# Altium PCB HIVE_SIGHT_PCB ASCII REV Project_PCB_Rev.Project_SCH_Rev.PcbDoc (part 2 of 3)
Units mil, origin at the board's own origin, x right, y up, seen from the top; angles counter-clockwise.
Board outline 2755.91 x 4245.66 mil, 4 copper layers (Top, GND, PWR, Bottom), stack 60.394 mil thick; 270 components, 195 nets, 1094 pads, 396 vias.
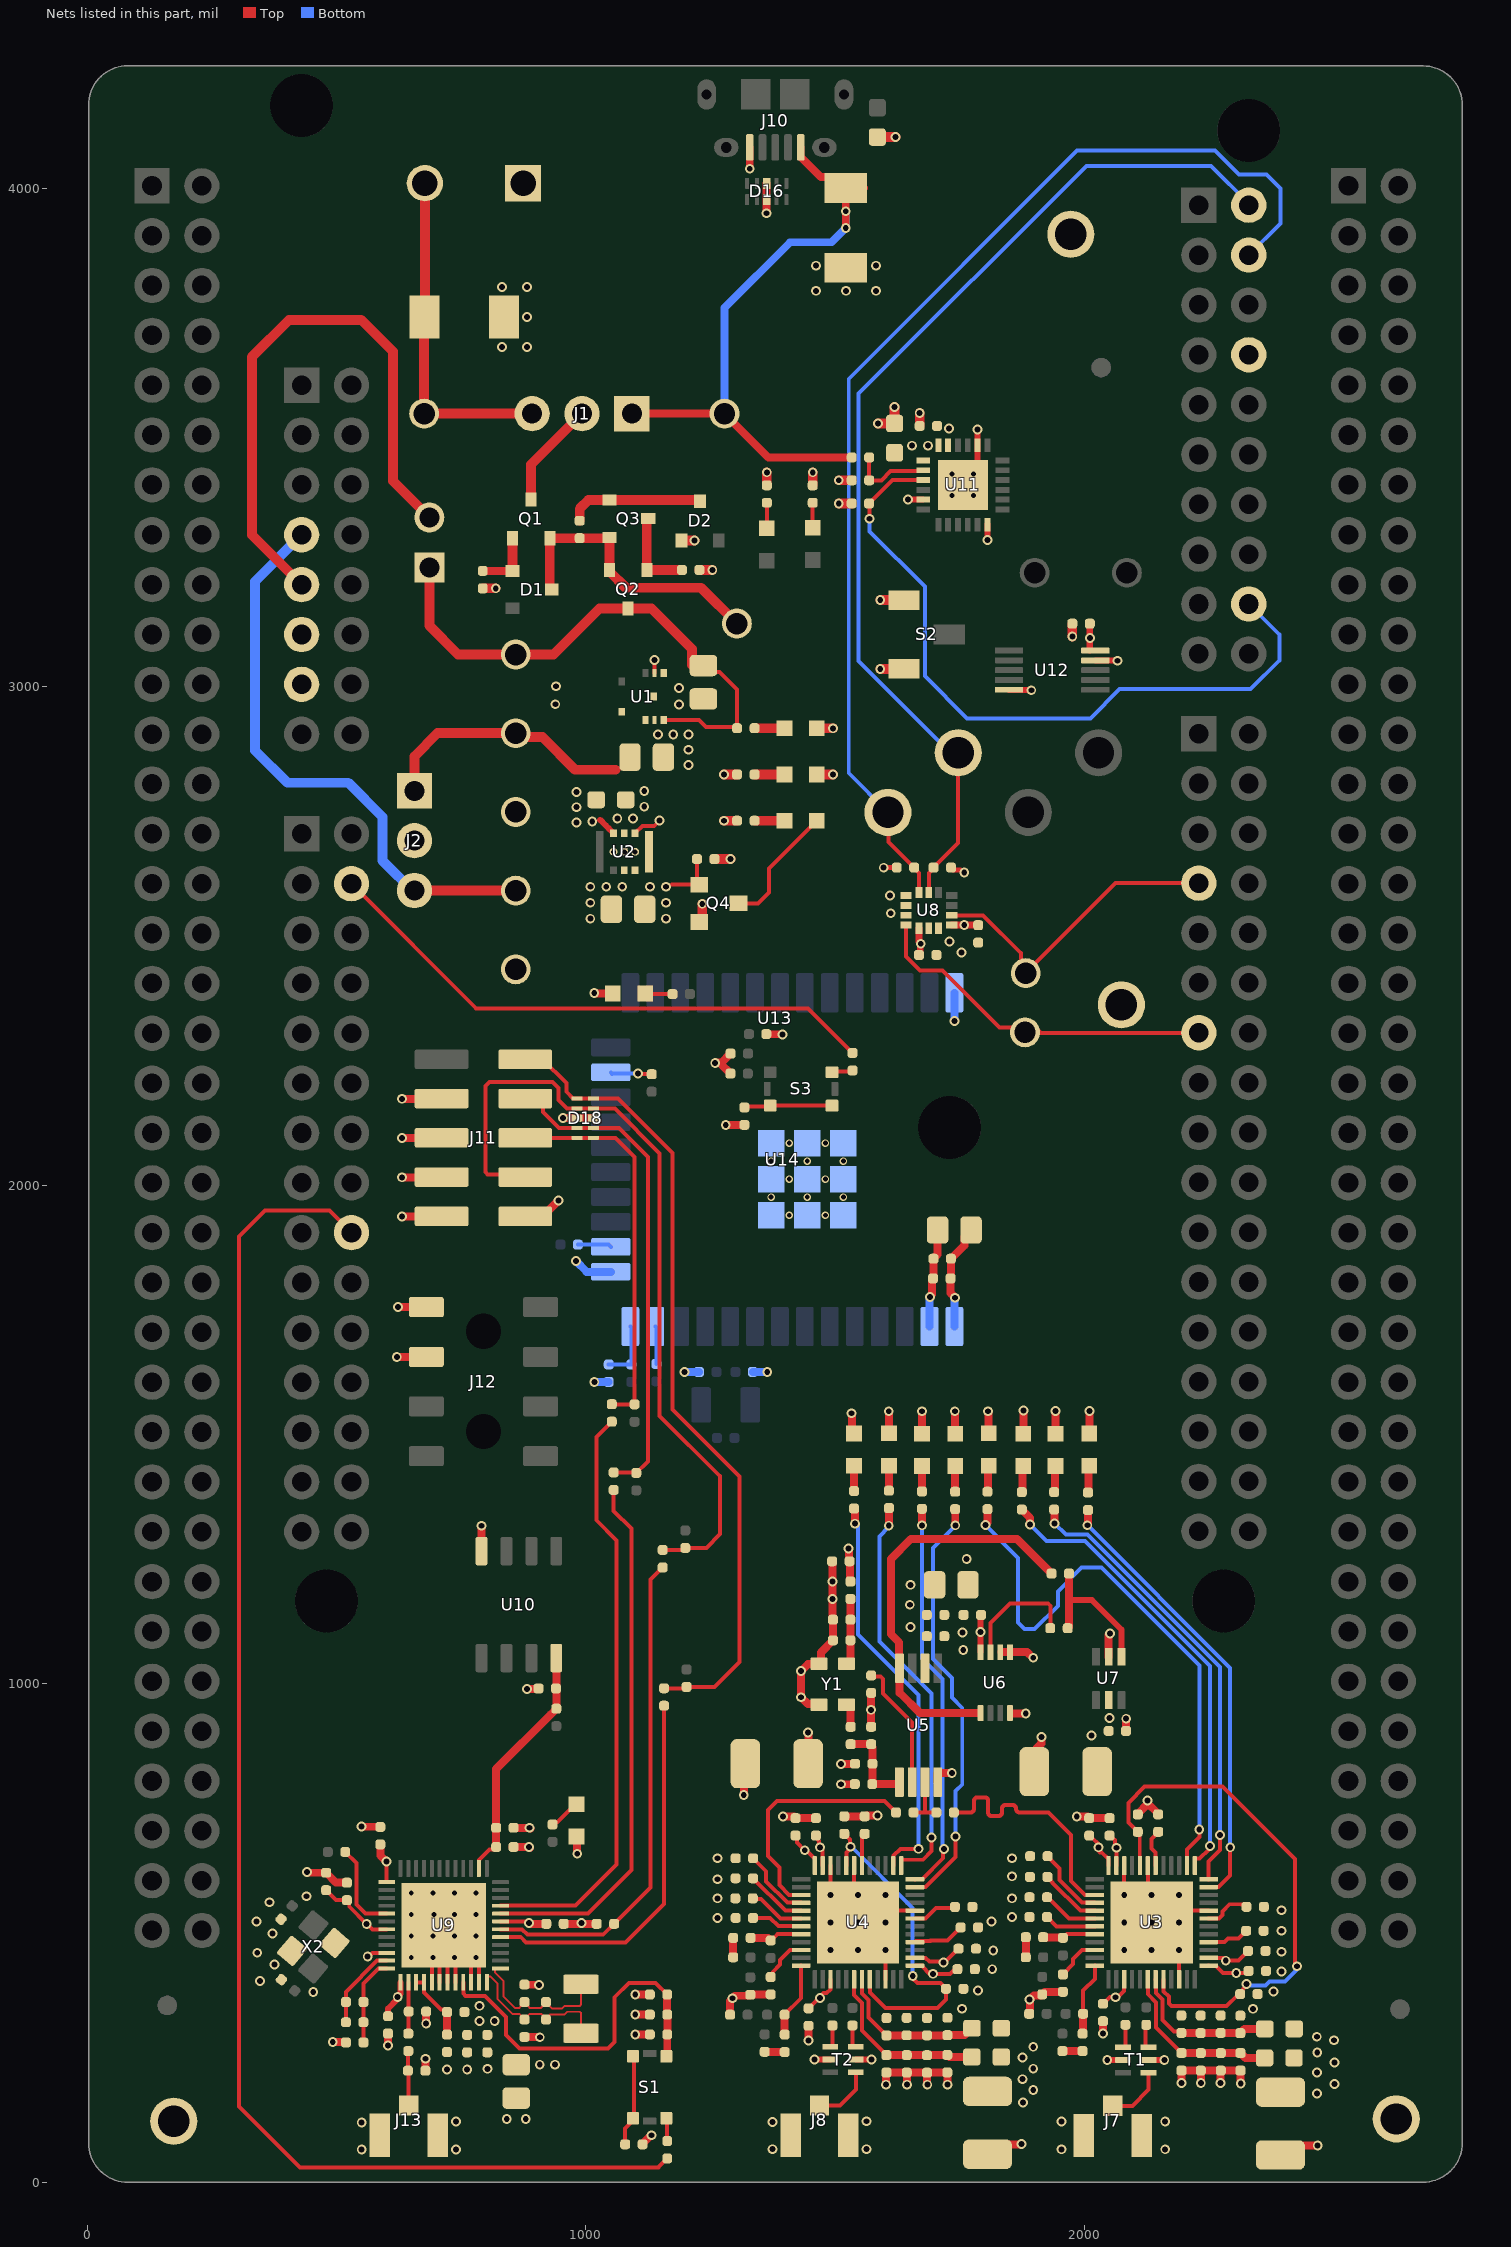
[diagram p4: the nets of this part, all layers, seen from the top]

## Part data
C1: library part CAP_CER_C2012X7R1E475K125AE, "CAP - CER 4.7UF 10% 25V X7R - 0805"
C2 C4: library part CAP_CER_GRM21BR61C106KE15K, "CAP - CER 10UF 10% 16V X5R - 0805"
C3 C100: library part CAP_CER_CL10A475MA8NQNC, "CAP - CER 4.7µF 20% 25V X5R - 0603"
C5 C6 C7 C8 C9 C10 C14 C17 C20 C24 C25 C26 C27 C28 C29 C30 C31 C35 C36 C37 C38 C39 C40 C44 C46 C48 C52 C53 C56 C57 C58 C59 C60 C61 C77 C78 C101 C102: library part CAP_CER_CGA2B3X7R1E104K050BB, "CAP - CER 0.1µF 10% 25V X7R - 0402"
C11 C21 C41 C49: library part CAP_CER_CL05B103KB5NFNC, "CAP - CER 10nF ±10% 50V X7R - 0402"
C12 C22 C42 C50 C72: library part CAP_CER_CC0402KRX7R9BB102, "CAP - CER 1nF 10% 50V X7R - 0402"
C13 C23 C33 C34 C43 C51 C63 C64: library part CAP_CER_CC0402JRNPO9BN120, "CAP - CER 12pF 50V ±5% C0G, NP0 - 0402"
C15 C45: library part CAP_CER_CC0402JRNPO9BN270, "CAP - CER 27pF 50V ±5% C0G, NP0 - 0402"
C16 C47: library part CAP_CER_C0402C129C5GACTU, "CAP - CER 1.2pF 50V ±0.25pF C0G, NP0 - 0402"
C18 C54: library part CAP_CER_GRM1555C1H180GA01D, "CAP - CER 18pF 50V C0G, NPO - 0402"
C19 C55: library part CAP_CER_CC0402KRX7R9BB821, "CAP - CER 820pF 50V ±10% X7R - 0402"
C32 C62 C89: library part CAP_CER_CC0402JRNPO9BN101, "CAP - CER 100pF 50V ±5% C0G,CP0 - 0402"
C65 C66 C75: library part CAP_CER_C0402C103M5RACTU, "CAP - CER 10nF 50V X7R 20% - 0402"
C67: library part CAP_CER_GRM21BC71E106KE11L, "CAP - CER 10UF 10% 25V X7S - 0805"
C68 C73 C80 C90 C93 C112: library part CAP_CER_CL05A105KL5NRNC, "CAP - CER 1uF 10% 35V X5R - 0402"
C69 C70 C71 C74 C81 C82 C87 C88 C91 C94 C97 C108 C113: library part CAP_CER_CL05A104KA5NNNC, "CAP - CER 0.1uF 10% 25V X5R - 0402"
C76: library part CAP_CER_CC0402CRNPO9BN3R0, "CAP - CER 3pF 50V ±0.25pF C0G, NP0 - 0402"
C79 C111: library part CAP_CER_0805YD106KAT2A, "CAP - CER 10UF 16V X5R - 0805"
C83: library part CAP_CER_C0402C332K5RACAUTO, "CAP - CER 3.3nF 10% 50V X7R - 0402"
C84: library part CAP_CER_GRM155R71H103KA88D, "CAP - CER 10nF 10% 50V X7R - 0402"
C85 C86 C109 C110: library part CAP_CER_CC0402JRNPO9BN130, "CAP - CER 13PF 50V C0G/NP0 - 0402"
C92 C95: library part CAP_CER_CC0402DRNPO9BN8R0, "CAP - CER 8PF 50V C0G/NP0 - 0402"
C96 C107: library part CAP_CER_CL05A105MP5NNNC, "CAP - CER 1uF 20% 10V X5R - 0402"
C98: library part CAP_CER_CC0402CRNPO9BN1R8, "CAP - CER 1.8PF 50V C0G/NP0 - 0402"
C99: library part CAP_CER_CC0402BRNPO9BN2R4, "CAP - CER 2.4PF 50V C0G/NP0 - 0402"
C103 C104 C105 C106: library part CAP_CER_C3225X7R1E226M250AB, "CAP - CER 22UF 20% 25V X7R - 1210"
D1 D2: library part DIO_ZENER_BZX84-B3V6,215, "DIO - ZENER 3.6V 250mW - SOT-23"
D3 D4 D5 D6 D7 D8 D9 D10 D11 D12 D13 D17 D19 D20 D21: library part LED_SML-D12P8WT86, "LED - GREEN DIFFUSED 0603 SMD - 0603"
D14 D15: library part TVS_SMBJ5.0D-M3/H, "TVS - DIODE 5V 9.1V- DO-214AA"
D16 D18: library part TVS_DATA_DT1140-04LP-7, "TVS - DIODE 5.5V 10V - 10-UFDFN"
FID1 FID2 FID3: library part FID_CIRCLE_1MM, "FID - FIDUCIAL 1MM CIRCLE DOUBLE-SIDED - 1MM"
J1 J2: library part CON_HDR_TSW-103-07-G-S, "CON - HDR 100 MIL 3 POS - TH"
J3 J4 J6: library part CON_JMP_SNT-100-BK-T-H, "CON - CONN SHUNT - MEC"
J5: library part CON_HDR_1X2, "CON - Header 1x2 pins 100 mil -TH"
J7 J8 J13: library part CON_UMC_128-0711-201, "CON - UMC JACK STR 50 OHM - SMD"
J9: library part CON_1935161, "CON - TERM BLK 2POS SIDE ENTRY 5MM PCB - TH - 14-26 AWG"
J10: library part CON_USB_10118194-0001LF, "CON - USB MICRO B RECPT SMT R/A - 4PIN"
J11: library part CON_0878321014, "CON - HEADER SMD 10POS 2mm - SMD"
J12: library part CON_HDR_M20-7810445, "CONN RCPT 8POS 0.1 GOLD SMD"
J14: library part CON_HDR_NUCLEO_F429ZI_PREC008DAAN-RC, "CON - Header 16 positions 2x8  0.100\" - TH"
J15: library part CON_HDR_NUCLEO_F429ZI_PREC010DAAN-RC, "CON - Header 20 positions 2x10  0.100\" - TH"
J16: library part CON_HDR_NUCLEO_F429ZI_PREC017DAAN-RC, "CON - Header 34 positions 2x17  0.100\" - TH"
J17: library part CON_HDR_NUCLEO_F429ZI_PREC015DAAN-RC, "CON - Header 30 positions 2x15  0.100\" - TH"
L1 L2 L3 L4: library part FER_BLM15AG601SN1D, "FER - FERRITE BEAD 600 OHM@100MHz - 0402"
L5: library part FER_BLM15BB220SN1D, "FER - FERRITE BEAD 22 OHM - 0402"
L6: library part IND_LQG15HS2N0S02D, "IND - 2nH 900mA 100mOhm  - 0402"
L7: library part IND_LQG15WZ2N8S02D, "IND - 2.8nH 900mA 80mOhm  - 0402"
Q1 Q2 Q3: library part TRX_PMOS_SI2369DS-T1-GE3, "TRX - PMOS 30V 7.6A - SOT-23"
Q4: library part TRX_NMOS_BSS138LT1G, "TRX - NMOS - 50V 200MA - SOT-23-3"
R1 R4 R5 R27 R28 R38 R40 R46: library part RES_RC0402FR-071KL, "RES - 1K OHM 1% 1/16W - 0402"
R2: library part RES_ERJ-2RKF4020X, "RES - 402R 1% 1/10W - 0402"
R3 R6 R8 R9 R11 R13 R15 R16 R18 R20 R30 R39 R43 R44 R47 R53: library part RES_RC0402FR-07150RL, "RES - 150R 1% 1/16W - 0402"
R7 R25 R32 R35 R37 R41 R45 R52: library part RES_RC0402FR-0710KL, "RES - 10K OHMS 1% 1/16W - 0402"
R10 R17: library part RES_RC0402FR-0716KL, "RES - 16k OHM 1% 1/16W - 0402"
R12 R19: library part RES_RC0402FR-07270RL, "RES - 270R 1% 1/16W - 0402"
R14 R21: library part RES_RC0402FR-0711KL, "RES - 11K 1% 1/16W - 0402"
R22 R24 R31 R42: library part RES_RC0402FR-0720KL, "RES - 20K 1% 1/16W  - 0402"
R23 R26 R55 R56 R57 R58 R59 R60 R61 R62: library part RES_RC0402FR-070RL, "RES - 0R 1/16W 1A  - 0402"
R29: library part RES_RC0603JR-070RL, "RES - 0 ohm jumper 1/10W - 0603"
R33 R36 R54: library part RES_RC0402FR-076R2L, "RES - 6.2R 1% 1/16W - 0402"
R34: library part RES_RC0402FR-07499RL, "RES - 499 OHM 1% 1/16W - 0402"
R48 R49 R50 R51: library part RES_NOMAG_PNM0402E1000BST1, "RES - 100 OHM 0.1% 1/20W NON-MAG - 0402"
S1 S3: library part SWI_TACT_435171014816, "SWI - SWITCH TACTILE SPST-NO 0.05A 12V -SMD"
S2: library part SWI_SPDT_CJS-1200TA, "SWI - SLIDE SPDT 100MA 6V - SMD"
T1 T2: library part XFR_HHM1595A1, "XFR - Imp Unbalaced/Balanced 50/100 3-8GHz  -SMD"
TP1 TP2 TP3 TP4 TP5 TP6 TP7 TP8 TP9 TP10 TP17 TP18: library part TPO_TH_ROUND_100MIL, "TPO - TEST POINT ROUND TH  - 100MIL"
TP11 TP12 TP13 TP14 TP15 TP16 TP19 TP20: library part TPO_5011, "TPO - TEST POINT - TH"
U1: library part REG_SWR_XCL214B333DR, "REG_DC DC CONVERTER 3.3V 5W_9-PowerTFQFN"
U2: library part REG_SWR_MYRGP180100W21RA, "REG_DC DC CONVERTER 1.8V 1.8W_8-PowerTDFN"
U3 U4: library part COM_XCV_DW1000-I-TR13, "COM - IC RF TxRx 802.15.4 IR-UWB DECAWAVE - 48-VFQFN EP"
U5: library part COM_BUF_LMK1C1102PWR, "COM - BUF - Clock buffer 3V3, 2V5, 1V8 2 Channel - TSSOP 8"
U6: library part LOG_NAND_SN74LVC2G00DCUR, "LOG_NAND - GATE NAND 2CH 2-INP - 8-VSSOP"
U7: library part LOG_FLIPFLOP_SN74LVC1G175DCKT, "LOG_FLIPFLOP - Single D flip-flop with Asynchronous clear - SOT-363"
U8: library part SEN_IMU_LSM6DSMTR, "SEN_IMU -  ACCEL/GYRO 6 Axis I2C/SPI - 14-VFLGA"
U9: library part COM_WIFI_ESP32-D0WDQ6-V3, "COM_WIFI - IC RF TxRx + MCU, WiFi 802.11b/g/n, Bluetooth 4.2 2.4GHz - 48-VFQFN Exposed Pad"
U10: library part MEM_FLASH_MX25L3233FM1I-08Q, "MEM - EFLASH 32Mb SPI 133MHZ - 8-SOIC"
U11: library part COM_XCV_CP2102N-A02-GQFN24R, "COM_XCV - IC USB TO UART BRIDGE - 24-QFN (4x4)"
U12: library part LOG_MUX_TMUX154EDGSR, "LOG_MUX -  SWITCH SPDT DUAL 2:1 - 10-VSSOP"
U13: library part MOD_NUCLEO_F429ZI, "MOD - F429ZI MCU Nucleo development board - MOD"
U14: library part COM_ESP32-WROOM-32U(8MB), "Bluetooth, WiFi 802.11b/g/n, Bluetooth v4.2  2.4GHz ~ 2.5GHz U.FL Surface Mount"
X1 X3: library part CRY_CM7V-T1A-32.768KHZ-12.5PF-20PPM-TA-QC, "CRY - 32.768KHZ tol:20ppm 12.5PF - 2-SMD"
X2: library part "CRY_FA-20H 40.0000MF10Z-K3", "CRY - 40MKHZ 10ppm 10PF - 4-SMD"
Y1: library part OSC_ASTXR-12-38.400MHz-514054-T, "OSC - XTAL - ASTXR-12-38.400MHz-514054-T - 38.4MHz TXCO - Clipped sine - 3V3 +-0.5ppm UWB application"

## Via types
v1: diameter 19.68, hole 11.81, Top to Bottom, tented both sides, 346 vias
v2: diameter 19.68, hole 11.81, Top to Bottom, 18 vias
v3: diameter 19.68, hole 10, Top to Bottom, 16 vias
v4: diameter 15.75, hole 10, Top to Bottom, 12 vias
v5: diameter 20, hole 10, Top to Bottom, 4 vias

## Nets (pads, with @x,y where several pads share a name; then routed paths per layer and width w, separated by ;. In a path a pad name is that pad's centre, name@x,y a point inside that pad or via, vN(x,y) a via of type N, cw(c..) or ccw(c..) an arc to the next point about the centre after c; other vN are vias at no path point)
1V8: C4.2 C5.1 C26.1 C35.1 C56.1 Q4.1 R7.1 TP8.1 U2.3 U2.8 U3.26 U3.48 U4.26 U4.48 | length 455.4
  Top w8: 1173.05,2603.39 Q4.1@1227.33,2603.39 1222.83,2607.89 R7.1@1222.83,2654.64 ; C56.1@1420.53,695.8 1423.75,692.58 1423.75,681.56 v1(1438.98,666.34) ; v1@1441.22,666.75 1457.56,650.4 1458.91,650.4 1459.24,650.07 U4.48@1459.24,635.7 ; U4.26@1660.02,450.66 1660.35,450.33 1681.59,450.33 1689.01,442.91 1721.48,442.91 C35.1@1747.4,468.84 ; C26.1@2015.71,691.25 2028.08,678.88 v1(2028.08,672.28) ; v1@2026.96,678.91 2026.96,666.8 2031.43,662.33 2034.73,662.33 2048.33,648.73 U3.48@2048.33,635.7 ; U3.26@2249.12,450.66 2278.87,450.66 v1@2285.58,443.95 ; v1(2283.46,444.88) 2308.84,444.88 C5.1@2328.37,464.41
  other v1: 1717.52,440.94 1160.43,2535.12 1160.43,2567.11 1128.45,2599.09 1160.43,2599.09
3V3: C3.2 C17.1 C24.1 C25.1 C46.1 C52.1 C53.1 C67.2 C68.2 C69.2 C70.2 C71.1 C73.2 C77.1 C78.1 C79.2 C80.2 C81.2 C88.2 C89.2 C90.2 C91.2 C94.2 C100.2 C101.2 C102.1 C103.2 C104.2 C105.2 C106.2 C111.2 C112.2 C113.2 J2.2 L1.1 L2.1 L3.1 L4.1 L5.1 L6.1 R3.1 R6.1 R22.2 R25.2 R27.1 R28.1 R36.1 R37.2 R40.1 R43.1 R44.1 R45.2 S2.3 TP7.1 U2.4 U2.6 U3.15 U3.25 U3.47 U4.15 U4.25 U4.47 U5.6 U6.8 U7.5 U8.5 U8.8 U9.1 U9.19 U9.37 U9.43 U9.46 U11.5 U11.6 U11.7 U12.10 U14.2 | length 1978.4
  Top w8: C90.2@478.95,586.26 498.91,566.29 C89.2@520.48,566.29 525.25,561.53 525.25,553.32 v1(560.19,518.39) 561.18,518.39 571.69,507.87 U9.43@600.39,507.87 ; v1(562.17,453.21) 564.84,453.21 572.26,460.63 U9.46@600.39,460.63 ; U9.37@600.39,602.36 v1@600.39,644.36 ; U9.19@828.74,523.62 879.57,523.62 882.66,520.53 v1(885.82,520.53) ; U2.4@1098.67,2706.2 1098.67,2706.7 1113.43,2721.46 1137.06,2721.46 1147.45,2731.86 v1(1147.58,2731.86) ; C46.1@1446.63,349.35 1476.94,379.65 1482.54,379.65 1490.4,387.52 1490.4,407.02 U4.15@1490.73,407.35 ; C53.1@1465.55,687.35 1467.63,685.27 1467.63,674.1 1474.65,667.08 1474.65,636.03 U4.47@1474.98,635.7 ; U4.25@1660.02,434.91 1674.39,434.91 1674.72,434.58 1674.72,433.14 1689.35,418.51 v1(1696.13,418.51) 1730.27,418.51 C52.1@1740.21,428.45 ; C17.1@2037.3,358.47 2051.11,372.27 v1@2063.25,372.27 ; C25.1@2056.66,691.25 2061.42,686.48 2061.42,677.16 2064.08,674.5 v1(2064.08,671.34) U3.47@2064.08,635.7 ; v1(2062.52,371.54) 2064.75,373.77 2069.64,373.77 2079.5,383.63 2079.5,407.02 U3.15@2079.83,407.35 ; U3.25@2249.12,434.91 2249.45,434.58 2264.15,434.58 2278.3,420.43 v1(2304.54,420.43) 2325.46,420.43 C24.1@2329.4,424.37
  Top w10: v1(1597.33,2637.43) 1597.44,2637.54 1623.41,2637.54 R28.1@1623.52,2637.65 ; R27.1@1732.42,2637.65 1736.8,2633.27 1751.03,2633.27 1756.35,2627.95 v1(1758.97,2627.95) ; U12.10@2010.78,3073.93 2011.68,3073.02 U12.10@2021.93,3073.02
  Top w12: C91.2@603.1,333.58 603.1,349.03 620.89,366.82 620.89,370.84 627.95,377.9 U9.1@627.95,401.57 ; 1028.52,2733.29 1040.18,2721.63 1040.24,2721.63 1046.68,2715.19 1046.68,2715.13 1054.23,2707.59 1054.47,2707.59 1055.36,2706.7 U2.6@1055.36,2706.2 ; v1(1791.53,1104.02) 1791.61,1103.94 1791.61,1063.76 U6.8@1791.68,1063.68 ; v1@1791.76,1104.02 1791.76,1137.59 C70.2@1792.71,1138.54
  Top w13.78: C78.1@1668.06,2462.47 1670.66,2465.07 1670.66,2483.67 v1(1671.79,2484.8) ; v1@1668.12,2488.47 U8.5@1668.12,2515.82 ; U8.8@1733.58,2522.22 v1@1758.84,2522.22 ; v1(1758.84,2522.56) 1759.04,2522.36 1786.73,2522.36 C77.1@1786.93,2522.16 ; U12.10@2010.78,3073.93 C102.1@2010.78,3126.94
  Top w16: C88.2@587.6,678.15 587.6,656.02 v1(599.92,643.7) ; R36.1@854.15,711.51 v1(886.53,711.51) v1@888.38,709.65 ; v1(885.82,520.53) 886.82,520.53 888.52,518.83 C94.2@920.48,518.83 ; v1(1099.04,377.06) R37.2@1128.14,377.06 ; R45.2@1361.88,2303.64 1362.22,2303.3 1393.8,2303.3 v1(1394.14,2302.96) ; v1(1445.81,902.77) 1446.52,902.07 1446.52,840.82 C105.2@1447.72,839.61 ; v1(1527.05,1271.72) 1527.75,1271.01 1527.75,1247.19 1529.75,1245.19 1529.75,1206.4 L5.1@1530.66,1205.5 ; R22.2@1572.19,914.08 v1(1572.19,948.08) R25.2@1572.19,982.07 ; v1(1690.12,1776.3) 1690.12,1777.29 1694.5,1781.67 1694.5,1811.49 C113.2@1696.5,1813.49 1696.89,1813.88 1696.89,1852.64 C112.2@1697.28,1853.03 1705.55,1861.3 C111.2@1705.55,1910.58
  Top w19.68: v1(1277.23,2731.64) R6.1@1303.23,2731.64 ; v1(1277.23,2824.48) R3.1@1303.23,2824.48 ; R43.1@1362.91,3404.51 v1(1362.91,3430.51) ; R44.1@1455,3404.51 v1(1455,3430.51) ; v1(1507.1,3368.2) R40.1@1533.1,3368.2 ; v1(1590.42,3035.72) S2.3@1638.07,3035.72
  Bottom w16: U14.2@1689.28,1717.19 1689.7,1717.61 1689.7,1775.88 v1(1690.12,1776.3)
  other v1: 1876.6,160.37 2466.57,178.22 1897.44,185.5 2501.49,197.58 1875.6,207.15 2466.57,220.41 721.37,226.53 761.81,226.53 802.32,227.95 1897.44,228.24 907.48,236.22 937.99,236.22 2501.84,240.63 1875.6,250.54 2467.09,260.52 1897.44,272.08 2500.63,285.24 2466.22,292.33 1469.49,370.12 622.36,372.31 1469.49,672.24 2014.45,896.37 2050.14,931.86 1651.08,1114.4 1649.79,1158.82 1651.08,1198.82 981.3,2728.35 1012.8,2730.31 981.3,2758.86 981.26,2789.21 2011,3098 1654,3484 1686,3484 1728.35,3518.7
3V3_INT: C2.2 J2.1 TP5.1 U1.4 U1.9 | length 523.2
  Top w19.68: J2.1@656,2791.64 656,2860.86 702.46,2907.33 859.46,2907.33 TP5.1@859.25,2907.12 866.97,2899.4 912.68,2899.4 978.17,2833.91 1059.86,2833.91
3V3_NUC: J2.3 TP6.1 U13.CN8-7 | length 1171.4
  Top w19.68: J2.3@656,2591.64 TP6.1@866.52,2591.64
  Bottom w19.68: U13.CN8-7@429.63,3305.33 335.96,3211.65 335.96,2872.82 400.83,2807.95 523.24,2807.95 592.16,2739.04 592.16,2651.37 J2.3@656,2587.53
3V3_SDIO: C87.2 C93.2 R35.2 R36.2 U9.26 U10.8 | length 490.4
  Top w8: U9.26@785.43,629.92 785.5,629.98 785.5,647.17 806.54,668.22 814.32,668.22 C93.2@817.95,671.85
  Top w16: C93.2@819.78,671.9 819.78,744.69 819.78,829.33 928.8,938.35 929.3,938.35 938.67,947.73 938.67,948.35 R35.2@940.67,950.35 940.68,990.96 U10.8@940.69,1052.01
3V3_WIFI: C82.2 L6.2 U9.3 U9.4 | length 144
  Top w8: U9.3@659.45,401.57 U9.4@675.2,401.57 675.2,381.08 692.38,363.89 709.7,346.57 716.61,346.57 C82.2@721.37,341.81
  Top w16: L6.2@721.37,296.53 C82.2@721.37,341.81
5V_CONN: D14.2 J1.3 J9.2 TP1.1 | length 679.6
  Top w15.75: D14.2@675.5,3741.5 D14.2@676,3742 D14.2@676.98,3742.98
  Top w19.68: D14.2@675.5,3741.5 TP1.1@675.5,3548.3 J1.3@892.14,3548.3 ; D14.2@676.98,3742.98 J9.2@676.98,4010.59
5V_IN: J1.2 Q1.3 | length 214.7
  Top w19.68: Q1.3@890.13,3375.9 890.13,3446.28 J1.2@992.14,3548.3
5V_NUC: J5.2 U13.CN8-9 | length 1200.5
  Top w19.68: U13.CN8-9@429.63,3205.33 330.46,3304.5 330.46,3662.3 404.4,3736.24 549.44,3736.24 612.95,3672.72 612.95,3413.05 J5.2@686,3340
5V_OV_G1: D2.3 Q3.1 R1.2 | length 274.1
  Top w19.68: R1.2@987.46,3333.42 987.46,3357.46 1004.84,3374.84 Q3.1@1047.39,3374.84 1227.03,3374.84 1229,3372.87 D2.3@1229,3372.37
5V_OV_G2: Q2.1 Q3.3 R5.1 | length 173.2
  Top w19.68: Q3.3@1122.19,3337.44 Q2.1@1122.19,3234.65 R5.1@1192.57,3234.65
5V_POL: D1.3 Q1.2 Q2.2 Q3.2 R1.1 TP3.1 | length 590.2
  Top w19.68: D1.3@927.53,3195.42 Q1.2@927.53,3298.42 R1.1@987.46,3298.42 Q3.2@1047.39,3298.42 ; Q3.2@1047.39,3300.04 Q3.2@1047.39,3298.42 ; TP3.1@1302.91,3127.17 1231.11,3198.96 1079.83,3198.96 1047.39,3231.4 Q2.2@1047.39,3234.65 Q3.2@1047.39,3298.42
5V_POL_G: D1.1 Q1.1 R4.1 | length 125.3
  Top w15.75: R4.1@793.07,3232.82 D1.1@852.73,3232.82
  Top w19.68: D1.1@852.73,3232.82 Q1.1@852.73,3298.42
5V_PROT: C1.2 J5.1 Q2.3 R2.2 TP4.1 U1.1 U1.6 | length 1114.2
  Top w8: U1.6@1155.99,2933.38 1227.12,2933.38 1240.84,2919.66 1300.89,2919.66 R2.2@1303.23,2917.32 1303.23,2995.02 1268.12,3030.13 1249.57,3030.13 1235.6,3044.09 C1.2@1213,3044.09 ; C1.2@1235.6,3042.92 C1.2@1236.01,3042.92
  Top w19.68: J5.1@686,3240 686,3122.82 743.65,3065.17 859.25,3065.17 934.96,3065.17 1026.96,3157.17 Q2.3@1084.79,3157.17 1131.83,3157.17 1213,3076 C1.2@1213,3044.09
5V_USB: D15.2 J1.1 J10.1 R41.2 TP2.1 | length 1284.2
  Top w15.75: J1.1@1092.14,3548.3 TP2.1@1278.08,3548.3 1365.98,3460.39 R41.2@1533.19,3460.39 ; J10.1@1431.05,4082.27 1431.05,4063 1471.26,4022.8 1535.51,4022.8 D15.2@1557.55,4000.75 ; v1(1521.14,3920.75) v1(1521.14,3954.22) D15.2@1521.14,4000.75
  Bottom w15.75: TP2.1@1278.08,3548.3 1278.08,3760.68 1409.61,3892.21 1492.59,3892.21 v1(1521.14,3920.75) v1(1521.14,3954.22)
32K_X_N: C85.2 R33.2 U9.13 X1.1 | length 303
  Top w4: U9.13@828.74,429.13 819.2,429.13 817.26,427.2 817.26,421.54 834.49,404.31 834.49,373.43 857.58,350.34 866.62,350.34 C85.2@876.77,360.5 ; C85.2@876.77,361.84 C85.2@876.77,360.5 ; R33.2@920.08,361.84 R33.2@920.08,360.5 ; X1.1@990.16,397.64 990.16,356.77 987.81,354.43 957.17,354.43 951.28,348.53 932.04,348.53 R33.2@920.08,360.5 ; C85.2@876.77,360.5 886.93,350.34 909.92,350.34 R33.2@920.08,360.5
32K_X_P: C86.2 R33.1 U9.12 X1.2 | length 311.4
  Top w4: U9.12@801.18,401.57 801.18,411.12 803.12,413.05 808.77,413.05 822.49,399.34 822.49,368.46 852.6,338.34 866.62,338.34 C86.2@876.77,328.18 ; C86.2@876.77,326.84 C86.2@876.77,328.18 ; R33.1@920.08,326.84 R33.1@920.08,328.18 ; X1.2@990.16,299.21 990.16,340.08 987.81,342.43 962.14,342.43 956.25,336.53 928.43,336.53 R33.1@920.08,328.18 ; C86.2@876.77,328.18 886.93,338.34 909.92,338.34 R33.1@920.08,328.18
ANT_OUT: C98.2 J13.1 L7.1 | length 112.2
  Top w8: J13.1@643.77,151.96 643.77,223.49 C98.2@643,224.26 643.48,224.74 643.48,263.22 L7.1@643.77,263.51
CHIP_PU: C96.2 C97.2 R37.1 S1.4 U9.9 | length 738.2
  Top w8: U9.9@753.94,401.57 754,401.51 754,378.7 758.69,374.02 797.24,374.02 839.57,331.69 839.57,296.23 867.09,268.7 1044.29,268.7 1057.53,281.94 1057.53,371.5 1086.56,400.53 1139.68,400.53 R37.1@1163.14,377.06
  Top w16: S1.4@1161.42,252.95 1163.14,254.67 C97.2@1163.14,296.98 1163.57,297.41 1163.57,336.28 C96.2@1163.14,336.71 ; C96.2@1162.71,338.86 R37.1@1162.71,377.06
GND: C1.1 C2.1 C3.1 C4.1 C5.2 C6.2 C7.2 C8.2 C9.2 C10.1 C11.1 C12.1 C13.1 C14.2 C17.2 C20.1 C21.1 C22.1 C23.1 C24.2 C25.2 C26.2 C27.2 C28.2 C29.2 C30.2 C31.2 C32.1 C35.2 C36.2 C37.2 C38.2 C39.2 C40.1 C41.1 C42.1 C43.1 C44.2 C46.2 C48.1 C49.1 C50.1 C51.1 C52.2 C53.2 C56.2 C57.2 C58.2 C59.2 C60.2 C61.2 C62.1 C67.1 C68.1 C69.1 C70.1 C71.2 C73.1 C74.1 C75.1 C76.1 C77.2 C78.2 C79.1 C80.1 C81.1 C82.1 C84.1 C85.1 C86.1 C87.1 C88.1 C89.1 C90.1 C91.1 C92.1 C93.1 C94.1 C95.1 C96.1 C97.1 C98.1 C99.1 C100.1 C101.1 C102.2 C103.1 C104.1 C105.1 C106.1 C107.1 C108.1 C109.1 C110.1 C111.1 C112.1 C113.1 D2.1 D3.K D4.K D6.K D7.K D8.K D9.K D10.K D11.K D12.K D13.K D14.1 D15.1 D16.3 D16.8 D17.K D18.3 D18.8 D21.K J7.2 J7.3 J8.2 J8.3 J9.1 J10.5 J11.3 J11.5 J11.7 J11.9 J11.10 J12.5 J12.6 J13.2 J13.3 Q4.2 R4.2 R5.2 R7.2 R14.1 R21.1 R24.1 R29.1 R32.1 R39.1 R42.1 R47.1 R52.1 S2.1 T1.2 T1.5 T2.2 T2.5 TP13.1 TP14.1 TP15.1 TP16.1 U1.2 U1.5 U1.7 U2.2 U2.5 U2.9 U3.22 U3.32 U3.43 U3.46 U3.49 U4.22 U4.32 U4.43 U4.46 U4.49 U5.4 U6.4 U6.5 U6.6 U7.2 U8.1 U8.2 U8.3 U8.6 U8.7 U9.5 U9.6 U9.7 U9.8 U9.10 U9.11 U9.49 U10.4 U11.2 U11.11 U11.18 U11.25 U12.5 U12.9 U13.CN7-8 U13.CN8-11 U13.CN8-13 U14.1 U14.15 U14.38 U14.39 X2.2 X2.4 Y1.1 Y1.3 | length 6514.4
  Top w8: U9.5@690.94,401.57 U9.49@690.94,450.79 ; v3(692.91,494.09) 690.94,492.13 U9.49@690.94,450.79 ; U9.6@706.69,401.57 706.69,435.1 691.01,450.79 U9.49@690.94,450.79 ; U9.49@714.57,515.75 U9.49@722.44,507.87 ; U9.7@722.44,401.57 U9.49@722.44,507.87 ; U9.8@738.19,401.57 738.19,446.85 757.94,446.85 769.68,435.1 U9.10@769.68,401.57 ; U9.49@738.19,450.79 U9.49@738.19,492.13 ; U9.11@785.43,401.57 785.43,444.88 v3(779.53,450.79) U9.49@738.19,492.13 ; U1.2@1137.78,3027.87 v1(1137.8,3053.9) ; U4.46@1490.73,635.7 v2(1490.73,576.65) U4.49@1537.98,529.4 ; U4.43@1537.98,635.7 U4.49@1537.98,529.4 ; U4.22@1600.97,407.35 v2(1600.97,466.41) v2(1545.85,521.53) ; U4.32@1660.02,545.15 1569.47,545.15 v2(1545.85,521.53) ; U3.46@2079.83,635.7 v2(2079.83,576.65) U3.49@2127.07,529.4 ; U3.43@2127.07,635.7 U3.49@2127.07,529.4 ; U3.22@2190.07,407.35 v2(2190.07,466.41) v2(2134.95,521.53) ; U3.32@2249.12,545.15 2158.57,545.15 v2(2134.95,521.53) ; U9.49@722.44,507.87 U9.49@738.19,492.13 ; U4.49@1537.98,529.4 v2(1545.85,521.53) ; U3.49@2127.07,529.4 v2(2134.95,521.53)
  Top w11.81: v1(1458.71,246.64) T2.5@1490.36,246.64 ; T2.2@1541.54,246.47 v1(1573.18,246.47) ; v1(2045.86,245.79) T1.5@2077.5,245.71 ; T1.2@2128.68,245.62 v1(2160.32,245.62)
  Top w12: J10.5@1328.62,4082.21 J10.5@1328.69,4082.27 ; v1(1645.84,3375.75) U11.11@1676.43,3375.75 ; U11.25@1726.63,3375.75 v5(1734.5,3383.62) U11.25@1756.16,3405.28 ; U11.25@1785.68,3435.79 U11.2@1785.68,3485 v1(1785.68,3516.58) ; v1(1805.37,3294.96) U11.18@1805.37,3325.55 U11.18@1805.37,3326.54 ; U12.5@1848.7,2994.28 1848.79,2994.19 1892.75,2994.19 v1(1893.53,2993.41) ; U12.9@2021.83,3053.43 U12.9@2021.93,3053.34 2065.88,3053.34 v1(2066.66,3052.56)